# Altium PCB DK2.PcbDoc (part 3 of 5)
Units mm, origin at the board's own origin, x right, y up, seen from the top; angles counter-clockwise.
Board outline 129.5 x 68 mm, 4 copper layers (Top Layer, MidLayer1, Power, Bottom Layer), stack 0.98 mm thick; 275 components, 227 nets, 1103 pads, 1072 vias.
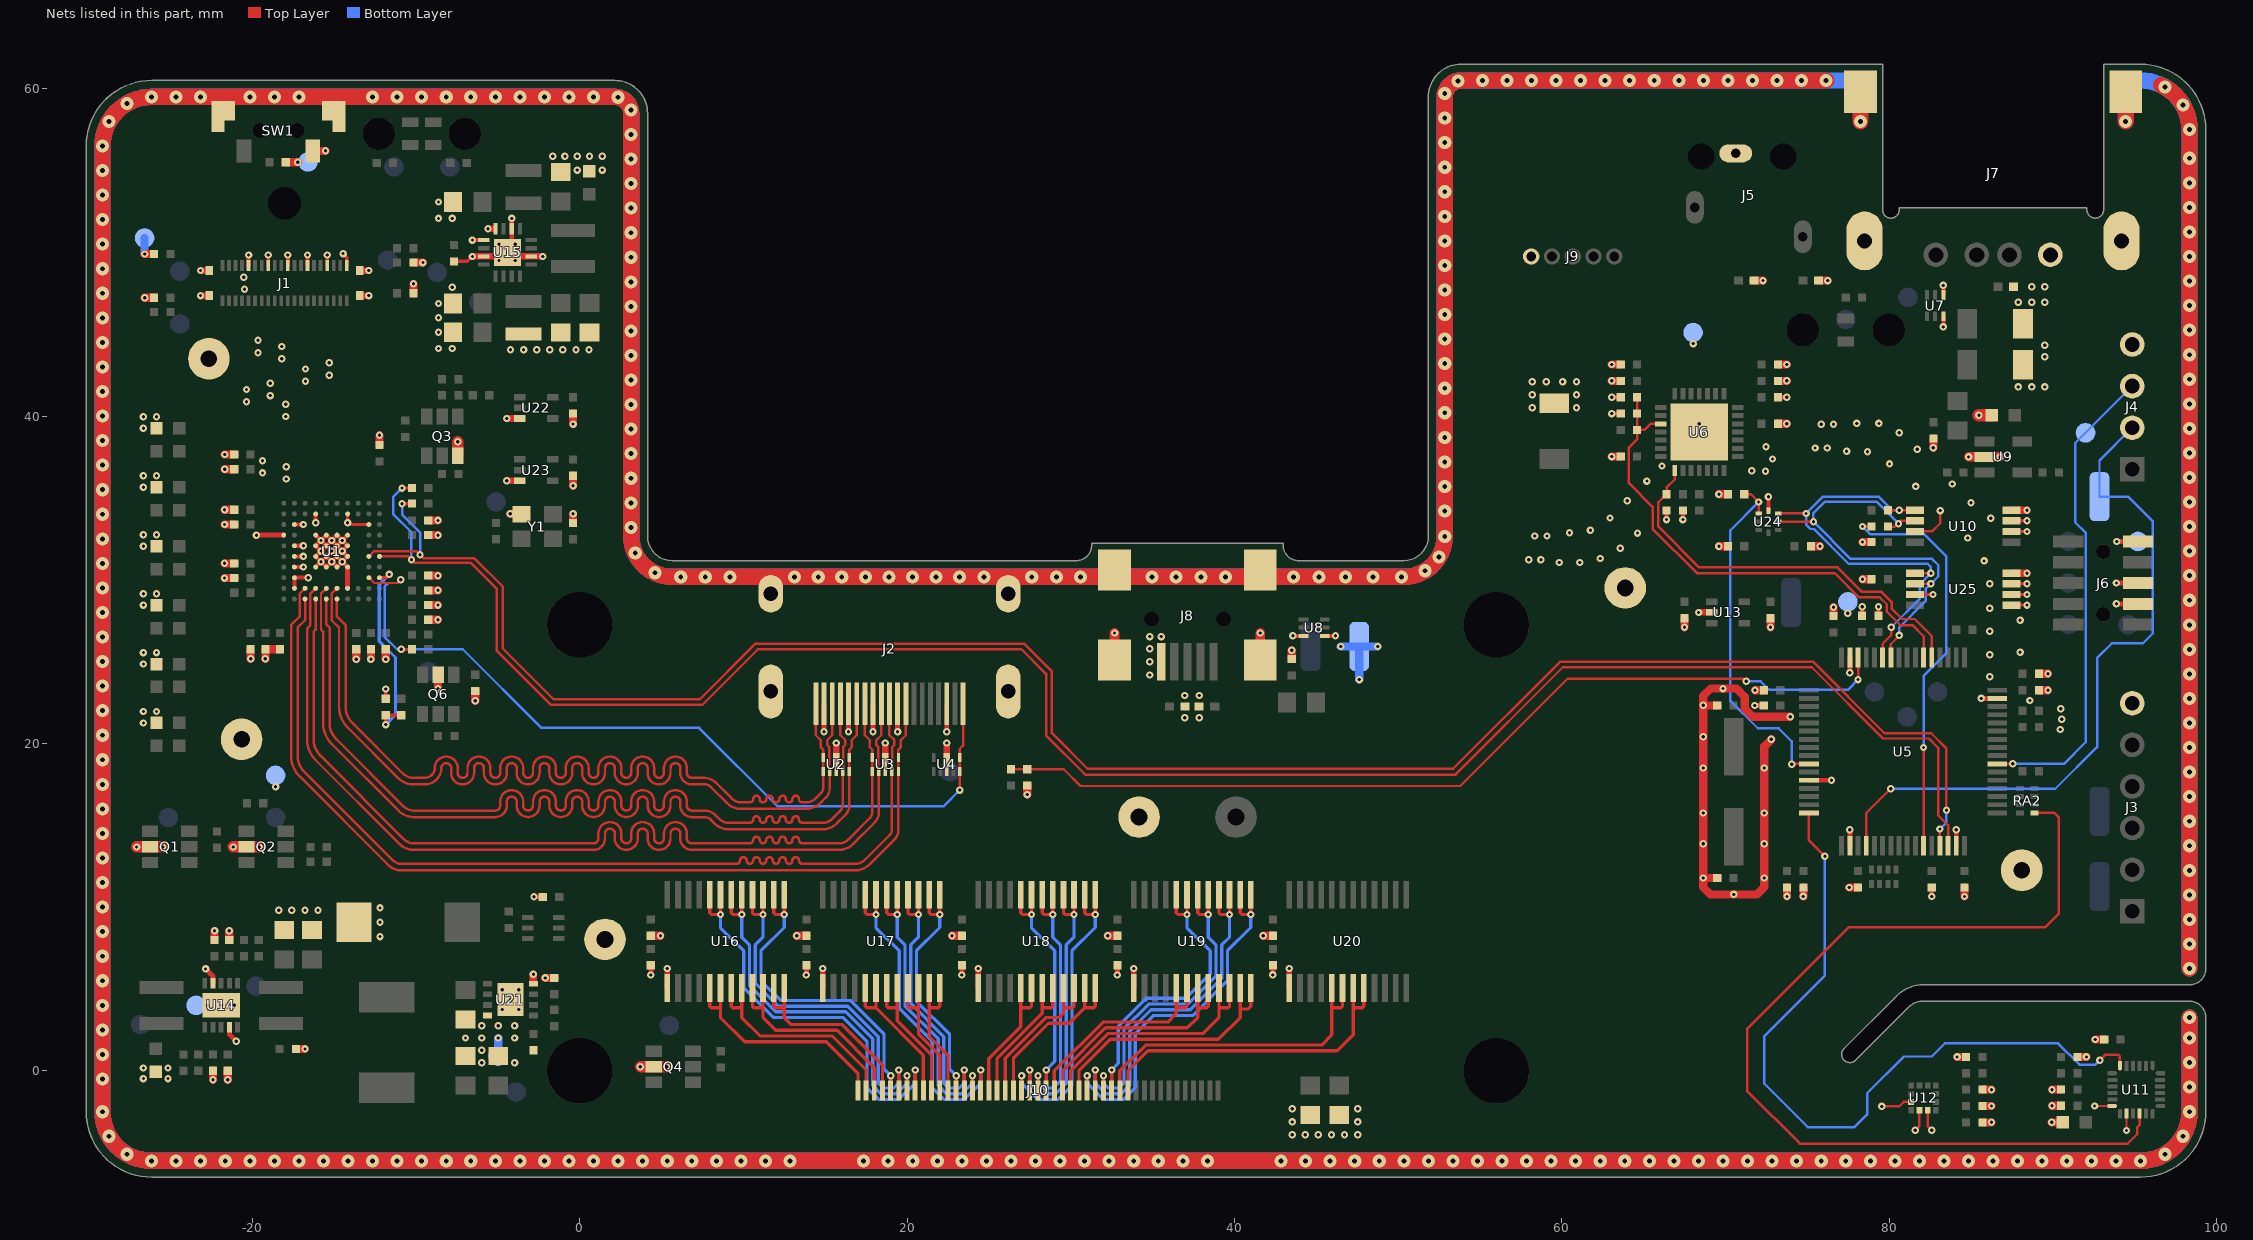
[diagram p5: the nets of this part, all layers, seen from the top]

## Via types
v1: diameter 0.45, hole 0.2, Top Layer to Bottom Layer, tented both sides, 801 vias
v2: diameter 0.8, hole 0.3, Top Layer to Bottom Layer, tented both sides, 266 vias
v3: diameter 0.457, hole 0.203, Top Layer to Bottom Layer, tented both sides, 5 vias

## Nets (pads, with @x,y where several pads share a name; then routed paths per layer and width w, separated by ;. In a path a pad name is that pad's centre, name@x,y a point inside that pad or via, vN(x,y) a via of type N, cw(c..) or ccw(c..) an arc to the next point about the centre after c; other vN are vias at no path point) (continued)
GND: C1.2 C2.2 C3.2 C4.2 C5.2 C6.2 C7.2 C8.2 C9.2 C10.2 C11.2 C12.2 C13.2 C14.2 C15.2 C16.2 C17.2 C18.2 C19.2 C20.2 C21.2 C22.2 C23.2 C24.2 C25.2 C26.2 C27.2 C28.2 C29.2 C30.2 C31.2 C32.2 C33.2 C34.2 C35.2 C36.2 C37.2 C38.2 C39.2 C40.2 C41.2 C42.2 C43.2 C44.2 C45.2 C46.2 C47.2 C48.2 C49.2 C50.2 C51.2 C52.2 C53.2 C54.2 C55.2 C56.2 C57.2 C58.2 C59.2 C60.2 C61.2 C62.2 C64.2 C65.2 C66.2 C68.2 C70.2 C71.2 C72.2 C73.2 C74.2 C75.2 C76.2 C77.2 C78.2 C79.2 C80.2 C81.2 C82.2 C83.2 C84.2 C85.2 C86.2 C87.2 C88.2 C89.2 C90.2 C91.2 C92.2 C93.2 C94.2 C95.2 C96.2 C97.2 C98.2 C99.2 C101.2 C102.2 C103.2 D3.2 D4.2 D6.2 D7.2 D8.2 J1.2 J1.8 J1.14 J1.20 J1.26 J1.32 J1.41 J1.42 J1.43 J1.44 J2.2 J2.5 J2.8 J2.11 J2.17 J2.20 J2.21 J2.22 J2.23 J3.6 J4.4 J5.1 J6.3 J6.5 J6.9 J7.4 J7.5 J7.6 J7.7 J7.8 J8.5 J8.6 J8.7 J8.8 J8.9 J9.5 L6.2 Q1.5 Q2.5 Q3.3 Q4.5 Q6.5 R9.1 R10.1 R18.1 R20.1 R22.1 R23.1 R24.1 R27.1 R33.1 R34.1 R37.1 R43.1 R45.1 R46.1 R47.1 R48.1 R49.1 R53.1 R54.1 SW1.1 SW1.2 SW1.4 TP11.1 TP13.1 TP14.1 TP15.1 TP16.1 TP17.1 TP18.1 TP19.1 TP20.1 TP21.1 TP22.1 TP37.1 TP39.1 TP41.1 TP45.1 U1.A7 U1.B2 U1.B3 U1.B4 U1.B5 U1.B6 U1.B8 U1.D4 U1.D5 U1.D6 U1.D7 U1.D9 U1.E4 U1.E5 U1.E6 U1.E7 U1.F4 U1.F5 U1.F6 U1.F7 U1.G2 U1.G4 U1.G5 U1.G6 U1.G7 U1.G9 U1.J8 U2.3 U2.7 U3.3 U3.7 U4.3 U4.7 U5.12 U5.18 U5.31 U5.47 U5.63 U6.0 U7.3 U7.4 U8.3 U8.4 U9.2 U10.2 U10.3 U10.4 U10.7 U11.18 U11.20 U12.2 U12.3 U12.12 U13.2 U14.4 U14.9 U14.11 U15.2 U15.4 U15.5 U15.7 U15.14 U15.17 U16.1 U17.1 U18.1 U19.1 U20.1 U21.4 U21.8 U21.9 U22.3 U23.3 U24.4 U25.1 U25.2 U25.3 U25.4 U25.7 Y1.2 | length 1035.5
  Top Layer w0.15: v1(79.55,-2.175) 80.615,-2.175 80.89,-1.9 U12.12@81.34,-1.9 ; U10.7@81.575,32.95 82.625,32.95 83.125,33.45 v1(83.125,34.225) ; v1(81.6,-3.625) 81.85,-3.375 81.85,-2.86 U12.2@81.85,-2.41 ; U12.3@82.35,-2.41 82.35,-2.86 82.35,-3.375 v1(82.6,-3.625) ; v1(92.55,-2.15) U11.18@93.55,-2.15 ; v1(94.5,-3.65) 94.5,-3.05 U11.20@94.5,-2.6
  Top Layer w0.2: U1.G9@-14.175,34.025 v1(-14.175,33.475) -14.075,33.375 U1.J8@-12.875,33.375 ; R43.1@-11.85,22.725 v1(-11.85,23.325) ; C102.2@-7.675,49.45 -6.85,49.45 v1(-6.55,49.75) ; U25.7@81.575,29.1 v1(82.675,29.1) ; U25.1@87.475,28.45 v1(88.425,28.45) ; U25.2@87.475,29.1 v1(88.425,29.1) ; U25.3@87.475,29.75 v1(88.425,29.75) ; U10.2@87.475,32.95 v1(88.425,32.95) ; U10.3@87.475,33.6 v1(88.425,33.6)
  Top Layer w0.23: J1.32@-20.225,49.2 v1(-20.225,49.838) ; J1.26@-19.025,49.2 v1(-19.025,49.838) ; J1.14@-16.625,49.2 v1(-16.625,49.838) ; J1.8@-15.425,49.2 v1(-15.425,49.838) ; v1(-14.45,49.925) -14.225,49.7 J1.2@-14.225,49.2
  Top Layer w0.24: J1.20@-17.825,49.2 v1(-17.825,49.838)
  Top Layer w0.25: U1.B2@-17.425,29.475 U1.B3@-17.425,30.125 ; U1.B6@-17.425,32.075 v1(-16.875,32.075) ; U1.B3@-17.425,30.125 v1@-16.572,30.125 ; U1.B4@-17.425,30.775 v1(-16.875,30.775) ; U1.B5@-17.425,31.425 v1(-16.875,31.425) ; U1.B8@-17.425,33.375 v1(-16.875,33.375) ; U1.D4@-16.125,30.775 v1(-15.8,31.1) ; U1.D7@-16.125,32.725 v1(-15.8,32.4) ; v1(-16.125,33.475) U1.D9@-16.125,34.025 ; U1.F7@-14.825,32.725 v1(-15.15,32.4) ; U1.F7@-14.825,32.725 v1(-14.5,32.4) ; U1.G4@-14.175,30.775 v1(-14.5,31.1) ; U1.G7@-14.175,32.725 v1(-14.5,32.4) ; v1(-6.55,50.75) U15.5@-5.85,50.75 ; v1(-4.4,50) -4.15,50.25 v1(-4.15,52.075) ; v1(-2.792,10.625) R53.1@-2.25,10.625 ; v1(43.575,26.575) U8.3@44.225,26.575 ; U8.4@45.525,26.575 v1(46.175,26.575) ; v1(63.051,40.149) R20.1@63.601,40.149 ; v1(63.051,41.149) C50.2@63.601,41.149 ; v1(66.401,33.674) R22.1@66.401,34.224 ; v1(67.401,33.674) R23.1@67.401,34.216 ; U24.4@72.625,34.225 v1(72.625,35.075) ; R24.1@73.209,41.149 v1(73.751,41.149) ; U5.12@75.101,17.751 v1(76.475,17.75) ; R18.1@78.351,27.809 v1(78.351,28.351) ; R9.1@79.351,27.809 v1(79.351,28.351) ; v1(82.601,10.651) R10.1@82.601,11.193 ; v1(83.31,45.445) U7.3@83.31,46.1 ; U7.4@83.31,47.4 v1(83.31,47.98) ; v1(-15.8,31.1) U1.E4@-15.475,30.775 v1(-15.15,31.1) ; v1(-15.8,31.1) U1.E5@-15.475,31.425 ; v1@-15.8,31.1 U1.D5@-16.125,31.425 v1@-15.8,31.75 ; v1@-15.8,31.75 U1.E5@-15.475,31.425 ; v1@-15.8,31.75 U1.E6@-15.475,32.075 ; v1@-15.8,31.75 U1.D6@-16.125,32.075 v1(-15.8,32.4) ; v1(-15.8,32.4) U1.E6@-15.475,32.075 ; v1(-15.8,32.4) U1.E7@-15.475,32.725 v1(-15.15,32.4) ; U1.E5@-15.475,31.425 v1(-15.15,31.75) U1.F6@-14.825,32.075 ; U1.E5@-15.475,31.425 v1@-15.15,31.1 ; U1.E6@-15.475,32.075 U1.F5@-14.825,31.425 ; U1.E6@-15.475,32.075 v1(-15.15,32.4) ; v1(-15.15,31.1) U1.F4@-14.825,30.775 v1(-14.5,31.1) ; v1@-15.15,31.1 U1.F5@-14.825,31.425 ; v1(-15.15,32.4) U1.F6@-14.825,32.075 ; U1.F5@-14.825,31.425 v1(-14.5,31.1) ; U1.F5@-14.825,31.425 v1(-14.5,31.75) ; U1.F6@-14.825,32.075 v1(-14.5,31.75) ; U1.F6@-14.825,32.075 v1(-14.5,32.4) ; v1(-14.5,31.1) -14.175,31.425 v1(-14.5,31.75) ; v1(-14.5,31.75) U1.G6@-14.175,32.075 v1(-14.5,32.4)
  Top Layer w0.3: v1(-22.85,6.225) -22.4,5.775 U14.4@-22.4,5.35 ; U14.9@-21.4,2.65 -21.4,2.225 v1(-20.975,1.8) ; v1(-19.747,32.725) U1.A7@-18.075,32.725 ; U1.G2@-14.175,29.475 U1.G4@-14.175,30.775 ; v1(4.35,5.85) R45.1@4.35,6.442 ; v1(13.85,5.85) R46.1@13.85,6.442 ; v1(14.925,20.72) J2.2@14.925,22.42 ; v1(16.425,20.72) J2.5@16.425,22.42 ; v1(17.925,20.72) J2.8@17.925,22.42 ; v1(19.425,20.72) J2.11@19.425,22.42 ; v1(22.425,20.72) J2.17@22.425,22.42 ; v1(23.35,5.85) R47.1@23.35,6.442 ; v1(32.85,5.85) R48.1@32.85,6.442 ; v1(42.35,5.858) R49.1@42.35,6.45 ; v1(71.792,22.318) C39.2@72.334,22.318 ; U5.18@77.601,13.751 v1(77.601,14.726) ; v1(77.6,24.325) U5.63@77.601,25.251 ; U5.31@84.101,13.751 v1(84.101,14.726) ; v1(85.626,22.751) U5.47@86.601,22.751 ; v1(93.885,28.529) J6.3@95.2,28.529 ; v1(93.885,29.799) J6.5@95.2,29.799 ; v1(93.9,32.339) J6.9@95.2,32.339
  Top Layer w0.35: U16.1@5.355,5.05 v1(5.355,6.25) ; U17.1@14.855,5.05 v1(14.855,6.25) ; U18.1@24.355,5.05 v1(24.355,6.25) ; U19.1@33.855,5.05 v1(33.855,6.25) ; U20.1@43.355,5.05 v1(43.355,6.25)
  Top Layer w0.4: v1(-23.16,47.36) J1.43@-22.625,47.36 ; v1(-23.16,48.89) J1.44@-22.625,48.89 ; J1.41@-13.425,47.36 v1(-12.89,47.36) ; J1.42@-13.425,48.89 v1(-12.89,48.89) ; v1(-6.55,49.75) U15.17@-4.85,49.75 ; v1(-5.6,51.45) U15.4@-5.225,51.45 ; v1(-4.45,36.05) U23.3@-3.65,36.05 ; v1(-4.45,39.85) U22.3@-3.65,39.85 ; U15.17@-3.9,49.75 v1(-2.25,49.75) ; U2.7@15.675,19.07 v1@15.675,20.05 ; U3.7@18.675,19.07 v1@18.675,20.05 ; U4.7@22.425,19.07 v1@22.425,20.05 ; v1(68.358,28) U13.2@69.15,28
  Top Layer w0.45: U21.4@-2.825,5.4 v1(-2.825,5.9) ; U25.4@87.475,30.4 v1(88.425,30.4) ; U10.4@87.475,34.25 v1(88.425,34.25)
  Top Layer w0.5: v1(-26.575,47.225) C78.2@-26,47.225 ; v1(-26.575,49.9) C77.2@-26,49.9 ; v1(-22.4,-0.55) R37.1@-22.4,0 ; C65.2@-22.3,8 v1(-22.3,8.55) ; v1@-21.7,37.65 C27.2@-21.1,37.65 ; v1(-21.699,30.1) C8.2@-21.099,30.1 ; v1(-21.699,31) C7.2@-21.099,31 ; v1(-21.691,33.375) C5.2@-21.099,33.375 ; v1(-21.691,34.275) C4.2@-21.099,34.275 ; v1(-21.683,36.75) C26.2@-21.1,36.75 ; v1(-21.5,-0.55) C66.2@-21.5,0 ; R33.1@-21.4,8 v1(-21.4,8.55) ; v1(-20.1,25.167) C18.2@-20.1,25.75 ; v1(-19.2,25.167) C22.2@-19.2,25.75 C23.2@-18.3,25.75 ; C36.2@-17.952,55.503 v1@-17.21,55.503 ; R34.1@-17.327,1.338 v1(-16.777,1.338) ; SW1.4@-16.3,56.2 v1(-15.525,56.2) ; v1(-13.649,25.15) C24.2@-13.649,25.75 ; v1(-12.75,25.15) C19.2@-12.75,25.75 ; C9.2@-12.225,38.225 v1(-12.225,38.825) ; v1(-11.85,25.15) C20.2@-11.85,25.75 ; C1.2@-10.15,47.5 v1(-10.15,48.075) ; C79.2@-10.15,49.375 v1(-9.575,49.375) ; C11.2@-9.25,27.55 v1(-8.65,27.55) ; C16.2@-9.25,29.35 v1(-8.65,29.35) ; C15.2@-9.25,30.25 v1(-8.65,30.25) ; C14.2@-9.25,32.725 v1(-8.65,32.725) ; C13.2@-9.25,33.625 v1(-8.65,33.625) ; C10.2@-9.249,28.45 v1(-8.649,28.45) ; v1(-8.65,23.35) Q6.5@-8.65,24.2 ; v1(-6.375,22.6) C97.2@-6.375,23.2 ; v1(-4.242,34.025) Y1.2@-3.575,34.025 ; v1(-2.1,5.675) R54.1@-1.55,5.675 ; C2.2@-0.4,33.475 v1(-0.4,34.025) ; v1(-0.4,35.745) C94.2@-0.4,36.35 ; v1(-0.4,39.508) C93.2@-0.4,40.15 ; C81.2@4.35,8.25 v1(4.942,8.25) ; v1(13.258,8.25) C82.2@13.85,8.25 ; v1(22.75,8.25) C83.2@23.342,8.25 ; v1@27.35,16.883 C96.2@27.35,17.425 ; v1(32.258,8.25) C84.2@32.85,8.25 ; v1(41.758,8.25) C85.2@42.35,8.25 ; C46.2@43.5,25.15 v1@43.5,25.692 ; v1@63.051,37.524 C45.2@63.601,37.524 ; v1(63.051,42.149) C44.2@63.601,42.149 ; v1(63.051,43.149) C41.2@63.601,43.149 ; v1(67.5,27.1) C61.2@67.5,27.65 ; C38.2@69.5,11.775 v1(68.639,11.775) ; C37.2@69.5,22.325 v1(68.639,22.325) ; v1(69.6,32.05) C95.2@70.15,32.05 ; v1(69.6,35.225) R27.1@70.15,35.225 ; D3.2@71.725,48.275 v1(72.292,48.275) ; v1(71.801,23.251) C29.2@72.351,23.251 ; v1(72.75,27.1) C62.2@72.75,27.65 ; v1(72.8,20.25) 72.375,19.825 72.375,11.225 71.925,10.775 69.075,10.775 68.639,11.211 v1(68.639,11.775) ; C42.2@73.201,39.524 v1(73.751,39.524) ; C43.2@73.201,42.149 v1(73.751,42.149) ; C40.2@73.201,43.149 v1(73.751,43.149) ; v1(73.76,10.655) C34.2@73.76,11.205 ; v1(73.951,21.625) 71.695,21.625 71.176,22.145 71.176,22.849 70.675,23.35 69.1,23.35 68.639,22.889 v1(68.639,22.325) ; v1(74.76,10.655) C35.2@74.76,11.205 ; C80.2@75.225,32.05 v1(75.775,32.05) ; D4.2@75.675,48.275 v1(76.242,48.275) ; C32.2@76.601,27.776 v1(76.601,28.326) ; v1(77.559,11.201) C30.2@78.101,11.201 ; v1(78.375,30.025) C101.2@78.925,30.025 ; v1(78.375,32.3) C51.2@78.925,32.3 ; v1(82.7,38.058) C47.2@82.7,38.625 ; v1(84.15,0.85) C59.2@84.7,0.85 ; v1(84.601,10.651) C33.2@84.601,11.201 ; C60.2@85.7,-3.15 v1(86.25,-3.15) ; C58.2@85.7,-2.15 v1(86.25,-2.15) ; C57.2@85.708,-1.15 v1(86.25,-1.15) ; C31.2@89.151,23.251 v1(89.701,23.251) ; C28.2@89.151,24.251 v1(89.701,24.251) ; v1(89.938,-3.15) C54.2@90.61,-3.15 ; v1(89.95,-2.14) C53.2@90.5,-2.14 ; v1(89.95,-1.15) C52.2@90.5,-1.15 ; C55.2@91.5,0.85 v1(92.05,0.85) ; v1(92.59,1.915) C56.2@93.14,1.915 ; v1(68.639,11.775) v1(68.639,22.325)
  Top Layer w0.584: v1(84.854,37.503) v1(86.788,37.503)
  Top Layer w0.6: J8.6@32.68,25.095 v1(32.68,26.745) ; J8.9@41.58,25.095 v1(41.58,26.745)
  Top Layer w0.7: v1@-27.05,13.675 v1@-25.5,13.675 ; v1@-21.15,13.675 v1@-19.6,13.675 ; Q3.3@-7.45,37.575 v1(-7.45,38.425) ; v1@3.725,0.25 v1@5.3,0.25 ; J7.7@78.5,49.975 J7.7@78.5,50.7
  Top Layer w0.762: v1(85.483,40.05) C49.2@86.275,40.05
  Top Layer w1: v2(52.85,32.65) 52.85,59.5 cw(c53.85,59.5) v2@53.85,60.5 ; v2@52.85,32.675 cw(c50.35,32.675) 50.35,30.175 5.65,30.175 cw(c5.65,32.675) 3.15,32.675 3.15,58.5 ccw(c2.15,58.5) 2.15,59.5 v2(-26.15,59.5) ccw(c-26.15,56.5) v2(-29.15,56.5) v2(-29.15,-2.5) ccw(c-26.15,-2.5) v2(-26.15,-5.5) v2(95.35,-5.5) ccw(c95.35,-2.5) v2(98.35,-2.5) v2(98.35,3.25) ; v2@53.825,60.5 v2(76.15,60.5) ; v2(78.25,58) J7.5@78.25,59.8 ; v2(94.45,58) J7.6@94.45,59.8 ; v2@96.61,60.222 cw(c95.35,57.5) v2(98.35,57.5) v2(98.35,6.246)
  Bottom Layer w0.3: v1(93.9,32.339) TP22.1@95.2,32.339
  Bottom Layer w0.5: v1(-26.575,49.9) TP20.1@-26.575,50.875 ; TP19.1@-4.975,0.9 v1(-4.975,2) ; v1(46.5,25.925) TP13.1@47.625,25.925 ; v1(47.625,23.9) TP13.1@47.625,25.925 ; v1(48.75,25.925) TP13.1@47.625,25.925
  Bottom Layer w1: v2(52.85,32.65) 52.85,59.5 cw(c53.85,59.5) v2@53.85,60.5 ; v2@52.85,32.675 cw(c50.35,32.675) 50.35,30.175 5.65,30.175 cw(c5.65,32.675) 3.15,32.675 3.15,58.5 ccw(c2.15,58.5) 2.15,59.5 v2(-26.15,59.5) ccw(c-26.15,56.5) v2(-29.15,56.5) v2(-29.15,-2.5) ccw(c-26.15,-2.5) v2(-26.15,-5.5) v2(95.35,-5.5) ccw(c95.35,-2.5) v2(98.35,-2.5) v2(98.35,3.25) ; v2@53.825,60.5 78.6,60.5 ; 94.1,60.5 95.335,60.5 ; 95.35,60.5 cw(c95.35,57.5) v2(98.35,57.5) v2(98.35,6.246)
  other v1: 43.53,-3.9 44.33,-3.9 45.13,-3.9 45.93,-3.9 46.73,-3.9 47.53,-3.9 43.53,-3.122 47.53,-3.122 43.53,-2.322 47.53,-2.322 -26.65,-0.475 -25.15,-0.475 -26.65,0.175 -25.15,0.175 3.71,0.25 5.317,0.25 -5.975,0.5 -3.975,0.5 -5.975,1.25 -6.975,2 -5.975,2 -3.975,2 -5.975,2.75 -4.975,2.75 -3.975,2.75 -4.725,3.75 -3.725,3.75 -22.725,4 -21.9,4 -21.1,4 -4.225,4.35 -4.725,4.95 -3.725,4.95 -12.2,8.2 -12.2,9.075 -18.38,9.8 -17.58,9.8 -16.78,9.8 -15.98,9.8 -12.2,9.95 70.5,10.775 72.375,11.775 -27.065,13.675 -25.458,13.675 -21.165,13.675 -19.558,13.675 68.639,13.875 72.375,13.875 68.639,15.75 72.375,15.75 27.35,16.875 -18.575,17.35 68.639,18.5 72.375,18.5 15.675,20.025 18.675,20.025 22.425,20.025 68.639,20.4 90.45,20.85 -26.65,21.25 90.55,21.475 36.975,21.575 37.85,21.575 -26.65,21.95 -25.85,21.95 90.475,22.125 88.6,22.625 36.975,22.925 37.85,22.925 69.85,23.35 86.15,24.075 -26.65,24.85 86.15,25.425 -26.65,25.55 -25.85,25.55 88,25.575 43.5,25.7 86.15,26.85 88,27.525 77.475,27.95 86.15,28.25 -26.65,28.45 -26.65,29.15 -25.85,29.15 86.15,29.75 -16.572,30.125 59.85,31.05 61.1,31.05 85.8,31.15 57.975,31.225 58.725,31.225 62.35,31.3 -15.8,31.75 63.575,31.925 -26.65,32.05 84.8,32.55 58.35,32.675 59.1,32.675 -26.65,32.75 -25.85,32.75 64.625,32.85 60.475,32.875 61.75,33.025 86.2,33.75 62.95,33.775 85,34.7 64,34.825 -26.65,35.65 81.625,35.7 83.85,35.85 65.2,36.025 -17.925,36.15 -26.65,36.35 -25.85,36.35 -19.375,36.525 72.45,36.625 71.6,36.65 -17.925,36.9 66.125,36.95 80.025,37.075 -19.375,37.275 72.875,37.375 63.051,37.524 -21.675,37.65 78.675,37.825 77.4,37.85 81.725,37.975 75.475,38.05 76.225,38.05 72.475,38.125 80.625,38.975 -26.65,39.25 75.85,39.5 76.6,39.5 68.4,39.525 78.02,39.55 79.375,39.55 -26.65,39.95 -25.85,39.95 -17.95,39.975 58.2,40.5 60.9,40.5 -17.95,40.725 -20.35,40.875 -18.9,41.25 58.2,41.3 60.9,41.3 -20.35,41.625 87.88,41.78 88.705,41.78 89.505,41.78 -18.9,42 58.2,42.1 59.05,42.1 60.05,42.1 60.9,42.1 -16.75,42.125 -15.3,42.5 -16.75,42.875 63.051,43.149 -15.3,43.25 -18.2,43.5 89.505,43.63 -19.65,43.875 -4.225,44.05 -3.425,44.05 -2.625,44.05 -1.825,44.05 -1.025,44.05 -0.225,44.05 0.575,44.05 -8.625,44.125 -7.775,44.125 -18.2,44.25 89.505,44.33 68.025,44.425 -19.65,44.625 -8.625,45.125 -8.625,46 -8.625,46.875 87.88,46.955 88.705,46.955 89.505,46.955 -20.475,47.75 -7.775,47.875 88.705,47.9 89.505,47.9 -20.525,48.475 -4.925,49.5 -3.925,49.5 -4.925,50.5 -3.925,50.5 -8.625,52.075 -7.775,52.075 -8.625,53.075 -0.15,55.025 1.375,55.025 -17.22,55.503 -1.65,55.875 -0.9,55.875 -0.15,55.875 0.6,55.875 1.375,55.875
  other v2: -24.65,-5.5 -23.15,-5.5 -21.65,-5.5 -20.15,-5.5 -18.65,-5.5 -17.15,-5.5 -15.65,-5.5 -14.15,-5.5 -12.65,-5.5 -11.15,-5.5 -9.65,-5.5 -8.15,-5.5 -6.65,-5.5 -5.15,-5.5 -3.65,-5.5 -2.15,-5.5 -0.65,-5.5 0.85,-5.5 2.35,-5.5 3.85,-5.5 5.35,-5.5 6.85,-5.5 8.35,-5.5 9.85,-5.5 11.35,-5.5 12.85,-5.5 17.35,-5.5 18.85,-5.5 20.35,-5.5 21.85,-5.5 23.35,-5.5 24.85,-5.5 26.35,-5.5 27.85,-5.5 29.35,-5.5 30.85,-5.5 32.35,-5.5 33.85,-5.5 35.35,-5.5 36.85,-5.5 38.35,-5.5 42.85,-5.5 44.35,-5.5 45.85,-5.5 47.35,-5.5 48.85,-5.5 50.35,-5.5 51.85,-5.5 53.35,-5.5 54.85,-5.5 56.35,-5.5 57.85,-5.5 59.35,-5.5 60.85,-5.5 62.35,-5.5 63.85,-5.5 65.35,-5.5 66.85,-5.5 68.35,-5.5 69.85,-5.5 71.35,-5.5 72.85,-5.5 74.35,-5.5 75.85,-5.5 77.35,-5.5 78.85,-5.5 80.35,-5.5 81.85,-5.5 83.35,-5.5 84.85,-5.5 86.35,-5.5 87.85,-5.5 89.35,-5.5 90.85,-5.5 92.35,-5.5 93.85,-5.5 -27.65,-5.1 96.85,-5.1 -28.75,-4 97.95,-4 98.35,-1 -29.15,-0.5 98.35,0.5 -29.15,1 98.35,2 -29.15,2.5 -29.15,4 -29.15,5.5 -29.15,7 98.35,7.746 -29.15,8.5 98.35,9.246 -29.15,10 98.35,10.746 -29.15,11.5 98.35,12.246 -29.15,13 98.35,13.746 -29.15,14.5 98.35,15.246 -29.15,16 98.35,16.746 -29.15,17.5 98.35,18.246 -29.15,19 98.35,19.746 -29.15,20.5 98.35,21.246 -29.15,22 98.35,22.746 -29.15,23.5 98.35,24.246 -29.15,25 98.35,25.746 -29.15,26.5 98.35,27.246 -29.15,28 98.35,28.746 -29.15,29.5 6.175,30.175 7.675,30.175 9.175,30.175 13.135,30.175 14.575,30.175 16.015,30.175 17.455,30.175 18.895,30.175 20.335,30.175 21.775,30.175 23.215,30.175 24.7,30.175 27.62,30.175 29.125,30.175 30.6,30.175 34.97,30.175 36.445,30.175 37.95,30.175 39.455,30.175 43.6,30.175 45.175,30.175 46.8,30.175 48.475,30.175 50.2,30.175 98.35,30.246 4.6,30.425 51.65,30.55 -29.15,31 52.5,31.4 3.4,31.625 98.35,31.746 -29.15,32.5 3.15,33.2 98.35,33.246 -29.15,34 52.85,34.2 3.15,34.7 98.35,34.746 -29.15,35.5 52.85,35.7 3.15,36.2 98.35,36.246 -29.15,37 52.85,37.2 3.15,37.7 98.35,37.746 -29.15,38.5 52.85,38.7 3.15,39.2 98.35,39.246 -29.15,40 52.85,40.2 3.15,40.7 98.35,40.746 -29.15,41.5 52.85,41.7 3.15,42.2 98.35,42.246 -29.15,43 52.85,43.2 3.15,43.7 98.35,43.746 -29.15,44.5 52.85,44.7 3.15,45.2 98.35,45.246 -29.15,46 52.85,46.2 3.15,46.7 98.35,46.746 -29.15,47.5 52.85,47.7 3.15,48.2 98.35,48.246 -29.15,49 52.85,49.2 3.15,49.7 98.35,49.746 -29.15,50.5 52.85,50.7 3.15,51.2 98.35,51.246 -29.15,52 52.85,52.2 3.15,52.7 98.35,52.746 -29.15,53.5 52.85,53.7 3.15,54.2 98.35,54.246 -29.15,55 52.85,55.2 3.15,55.7 98.35,55.746 52.85,56.7 3.15,57.2 -28.75,58 52.85,58.2 3.15,58.7 97.95,59 -27.65,59.1 2.35,59.475 -24.65,59.5 -23.15,59.5 -20.15,59.5 -18.65,59.5 -17.15,59.5 -12.65,59.5 -11.15,59.5 -9.65,59.5 -8.15,59.5 -6.65,59.5 -5.15,59.5 -3.65,59.5 -2.15,59.5 -0.65,59.5 0.85,59.5 52.85,59.7 96.85,60.1 53.65,60.475 55.15,60.5 56.65,60.5 58.15,60.5 59.65,60.5 61.15,60.5 62.65,60.5 64.15,60.5 65.65,60.5 67.15,60.5 68.65,60.5 70.15,60.5 71.65,60.5 73.15,60.5 74.65,60.5
  other v3: 34.83,24.18 34.83,24.98 34.83,25.78 34.83,26.53 35.53,26.53
GPIO0: J4.2 TP35.1 U5.20 | length 43
  Top Layer w0.15: U5.20@78.601,13.751 78.601,15.741 v1(80.09,17.23)
  Bottom Layer w0.15: v1(80.09,17.23) 90.15,17.23 92.7,19.78 92.7,25.21 93.6,26.11 95.49,26.11 96.11,26.73 96.11,33.55 94.585,35.075 TP35.1@92.85,35.075 92.85,37.29 J4.2@94.85,39.29
GPIO1: J4.3 TP36.1 U5.39 | length 29.4
  Top Layer w0.15: U5.39@86.601,18.751 v1(87.551,18.751)
  Bottom Layer w0.15: v1(87.551,18.751) 90.676,18.751 92,20.075 92,32.875 91.37,33.505 91.37,38.35 J4.3@94.85,41.83